# Altium PCB 1 040 1573.rev01.PcbDoc (part 1 of 3)
Units mm, origin at the board's own origin, x right, y up, seen from the top; angles counter-clockwise.
Board outline 106.1 x 59.15 mm, 2 copper layers (Top Layer, Bottom Layer); 130 components, 89 nets, 433 pads, 228 vias.
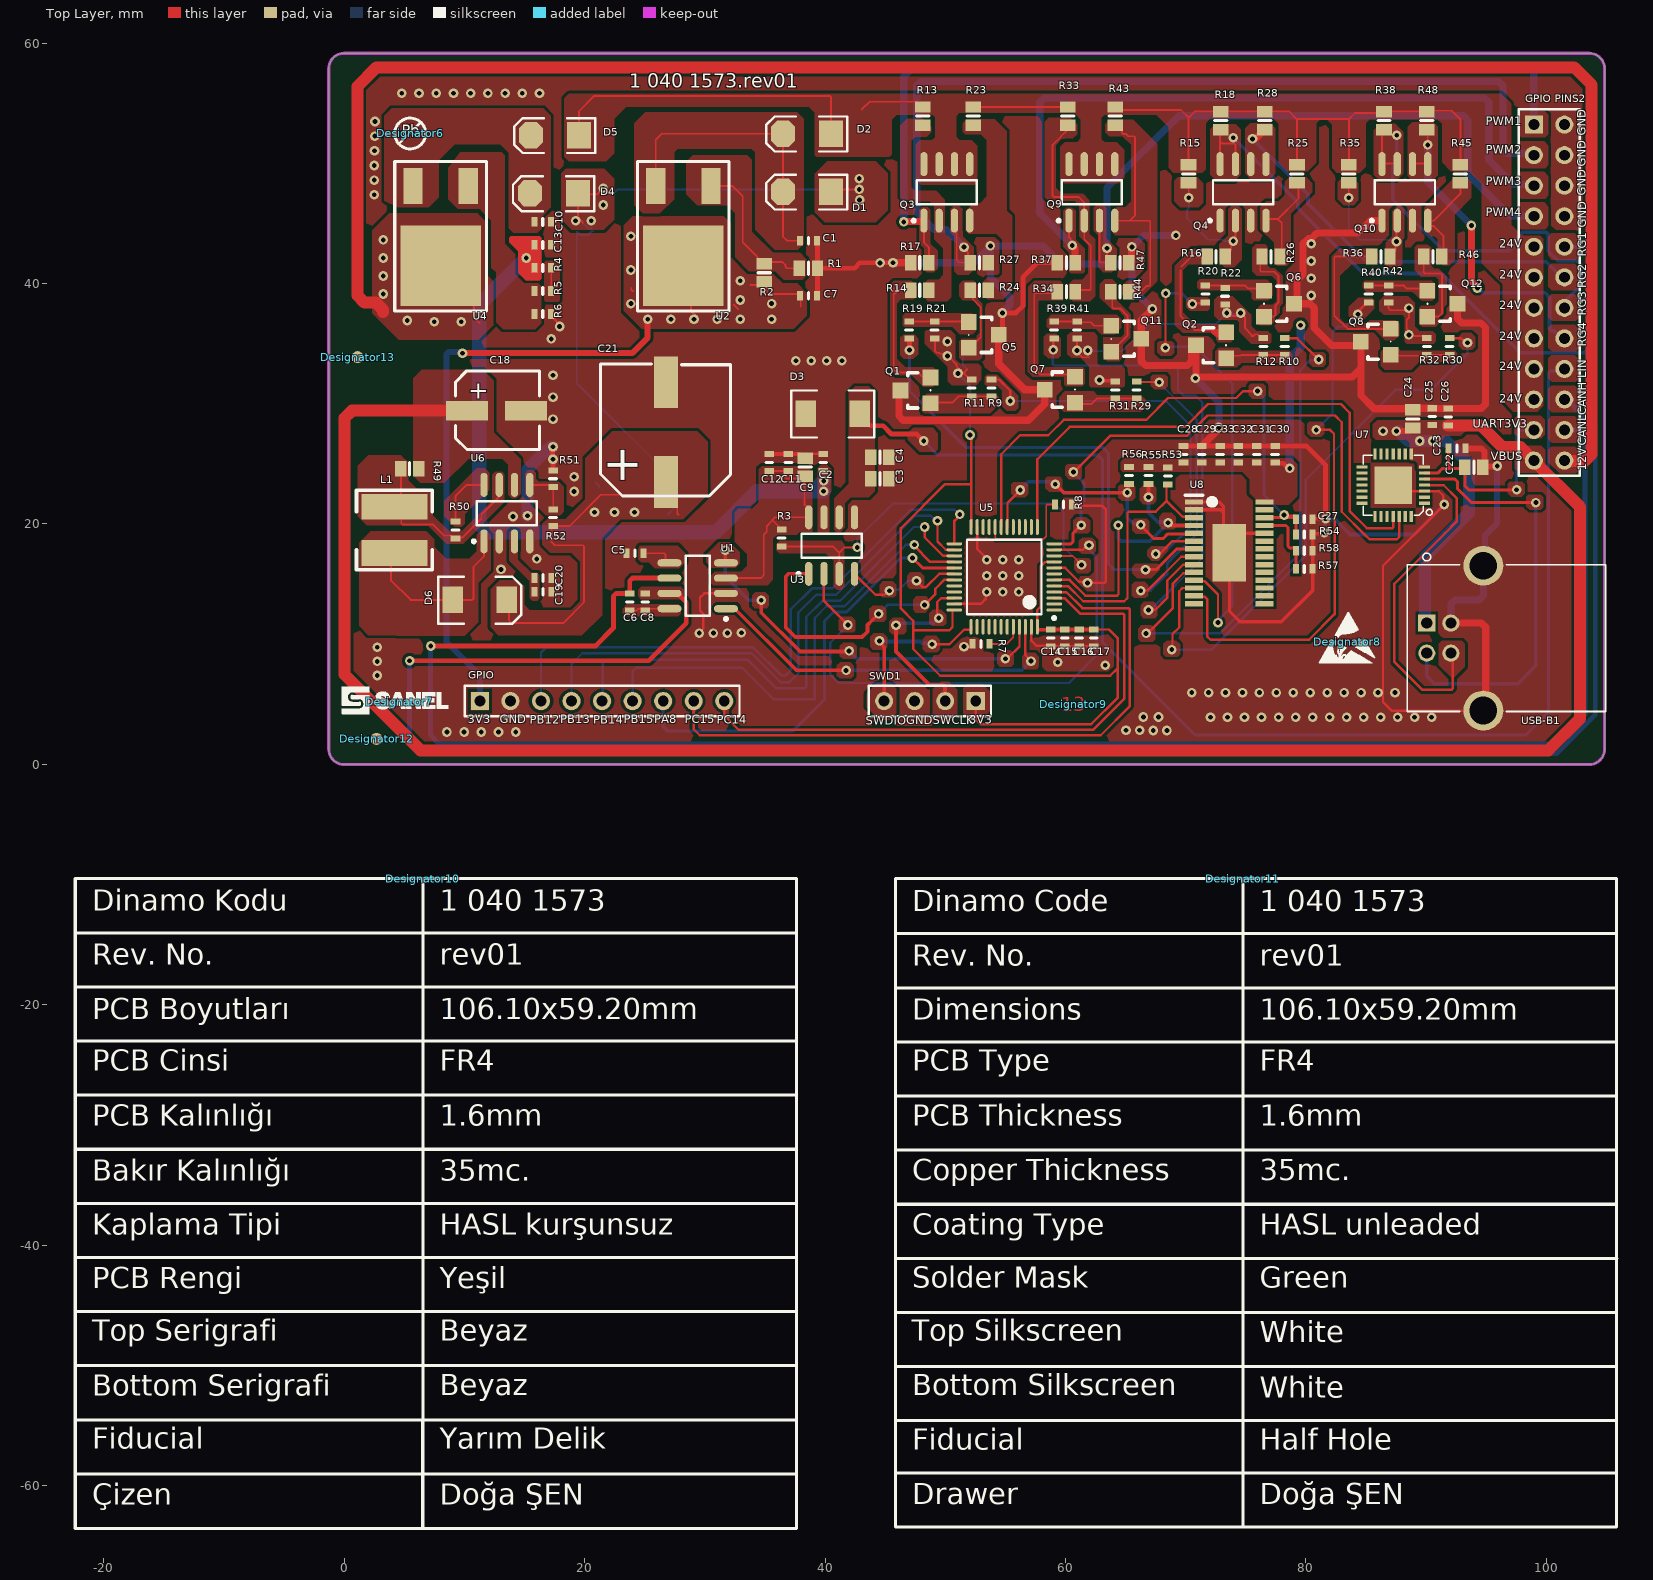
[diagram p0: Top Layer view]
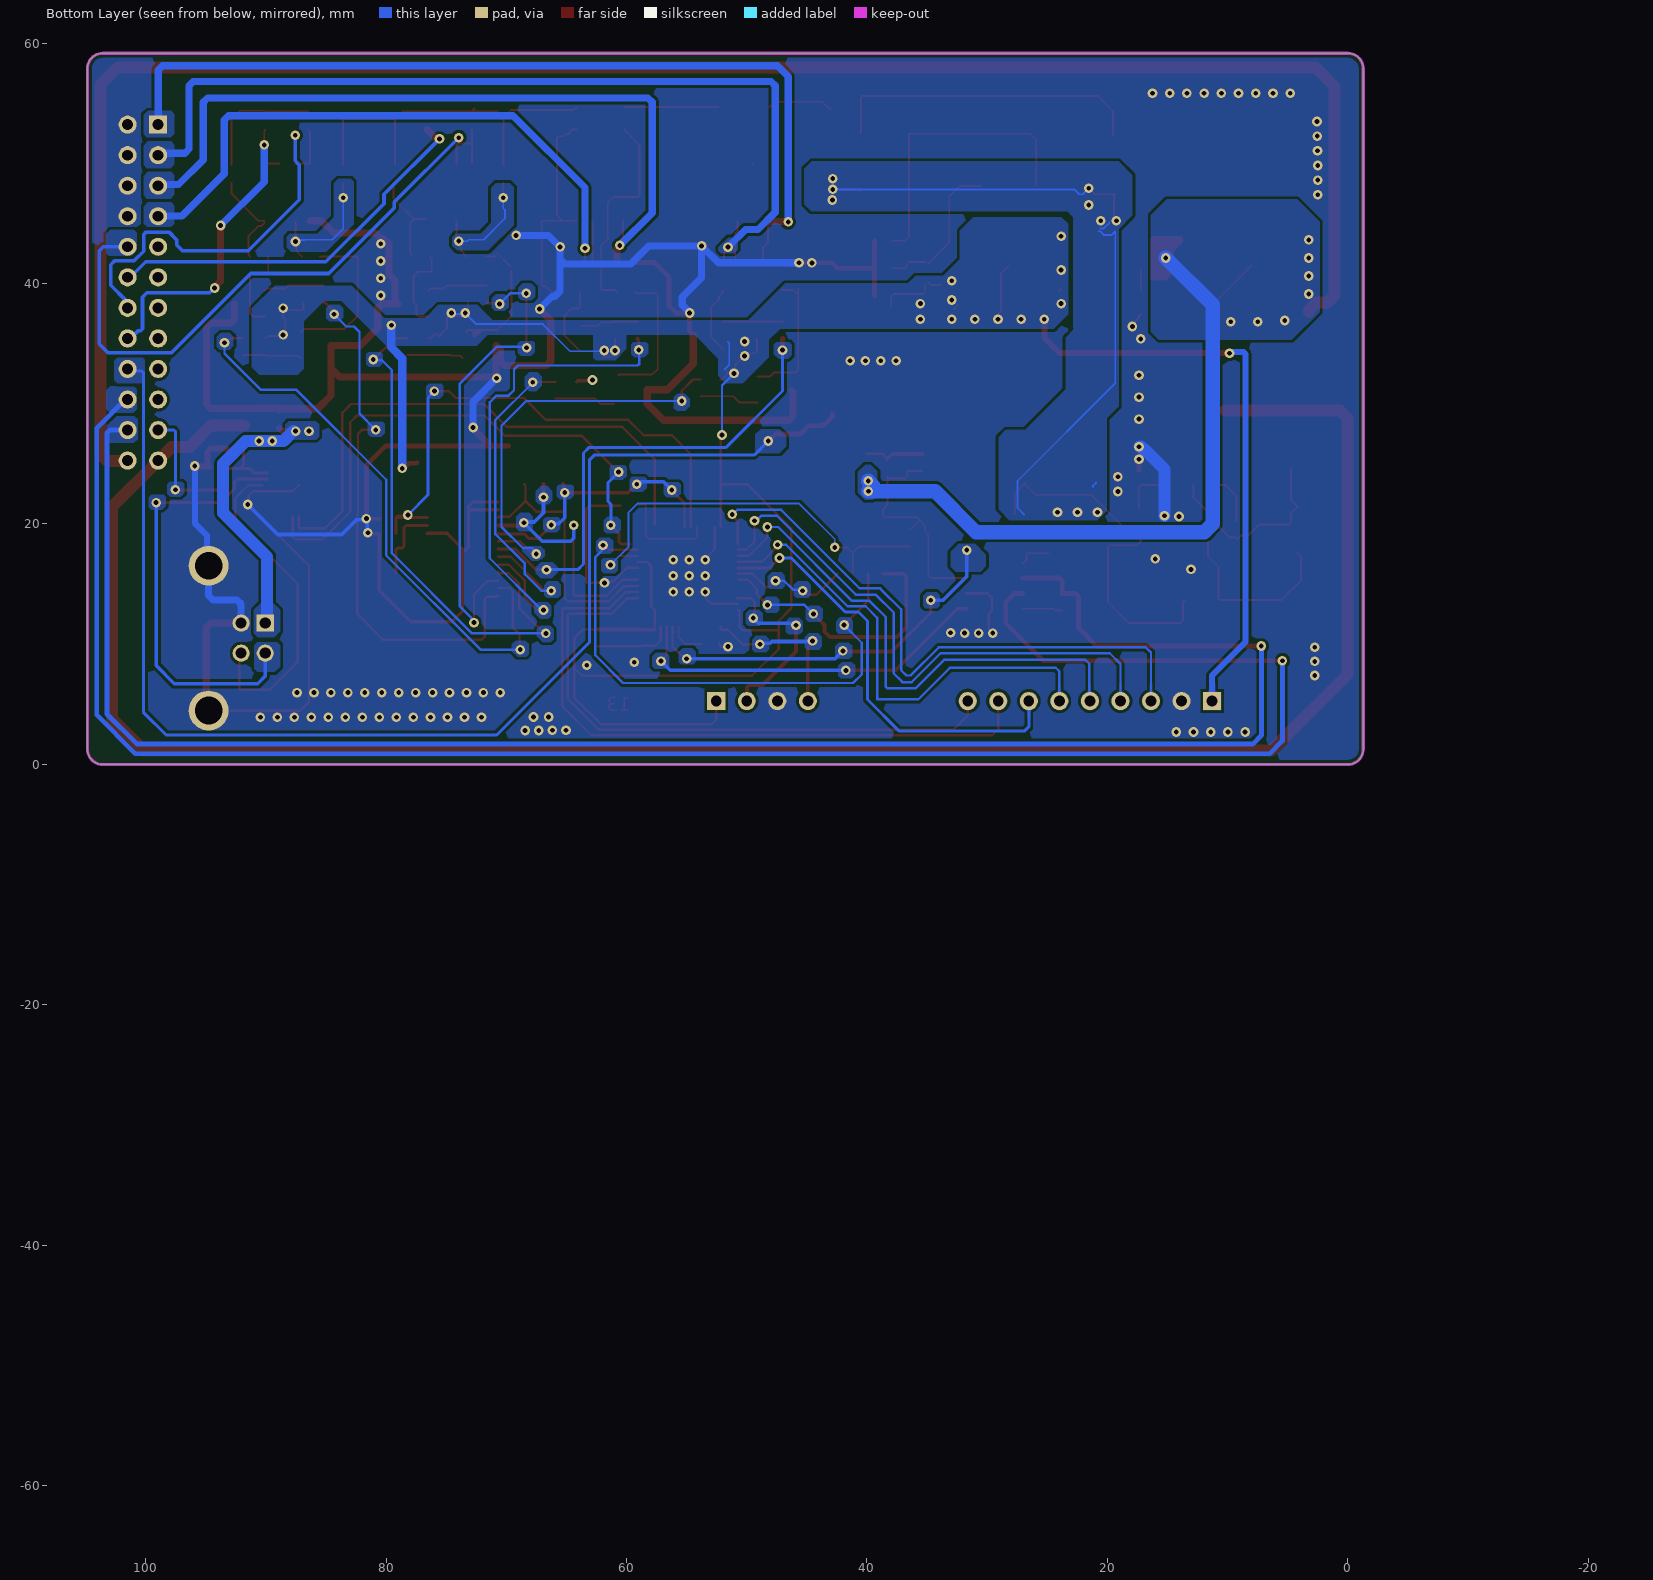
[diagram p1: Bottom Layer view, seen from below]

## Layer stack, top to bottom
Top Solder: solder mask 0.0102, Solder Resist, Dk 3.5
Top Layer: signal copper 0.0356
Dielectric 1: dielectric 0.32, FR-4, Dk 4.8
Bottom Layer: signal copper 0.0356
Bottom Solder: solder mask 0.0102, Solder Resist, Dk 3.5

## Board outline
-1.27,1.27 -1.27,57.88 cw(c0,57.88) 0,59.15 103.56,59.15 cw(c103.56,57.88) 104.83,57.88 104.83,1.27 cw(c103.56,1.27) 103.56,0 0,0 cw(c0,1.27)

## Design rules (kind name [scope] priority, off if disabled: settings)
Clearance [All] p1: gap=0.254 ignorepadtopadclearanceinfootprint=FALSE except(0: Arc-Hole Track-Hole SMDPad-Hole THPad-Hole Via-Hole Fill-Hole Poly-Hole Region-Hole Text-Hole)
MinimumSolderMaskSliver [All] p1: minsoldermaskwidth=0.1
PolygonConnect [All] p1: connectstyle=Direct reliefconductorwidth=0.254 reliefentries=4 polygonreliefangle="90 Angle" airgapwidth=0.254
RoutingVias [All] p1: holewidth=0.5 width=0.8 viastyle="Through Hole" minholewidth=0.3 minwidth=0.5 maxholewidth=1 maxwidth=2
SolderMaskExpansion [All] p1: expansion=0.102 istentingtop=FALSE
SupplyNets "Schematic Supply Nets_7" [InNet('VCC3V3')] p1: voltage=0.000
SupplyNets "Schematic Supply Nets_6" [InNet('VBUS')] p2: voltage=0.000
SupplyNets "Schematic Supply Nets_5" [InNet('VCC12V')] p3: voltage=0.000
SupplyNets "Schematic Supply Nets_4" [InNet('12VREG')] p4: voltage=0.000
SupplyNets "Schematic Supply Nets_3" [InNet('+24V')] p5: voltage=0.000
SupplyNets "Schematic Supply Nets_2" [InNet('UART3V3')] p6: voltage=0.000
SupplyNets "Schematic Supply Nets_1" [InNet('GND')] p7: voltage=0.000
SupplyNets "Schematic Supply Nets" [InNet('VCC5V')] p8: voltage=0.000
Width [All] p1: maxlimit=3 minlimit=0.152 preferedwidth=0.5
29 further rules are at their usual default settings.

## Classes and differential pairs
component class uart: C22 C23 C24 C25 C26 U7 USB-B1
component class pwm_driver: C27 C28 C29 C30 C31 C32 C33 R53 R54 R55 R56 R57 R58 U8
component class Sanel_Can_Lin_Pwm_Schem: C1 C2 C3 C4 C5 C6 C7 C8 C9 C10 C11 C12 C13 C14 C15 C16 C17 D1 D2 D3 D4 D5 GPIO R1 R2 R3 R4 R5 R6 R7 R8 SWD1 U1 U2 U3 U4 U5
component class regulator: C18 C19 C20 C21 D6 L1 R49 R50 R51 R52 U6
component class High_side_pwm: "GPIO PINS2" Q1 Q2 Q3 Q4 Q5 Q6 Q7 Q8 Q9 Q10 Q11 Q12 R9 R10 R11 R12 R13 R14 R15 R16 R17 R18 R19 R20 R21 R22 R23 R24 R25 R26 R27 R28 R29 R30 R31 R32 R33 R34 R35 R36 R37 R38 R39 R40 R41 R42 R43 R44 R45 R46 R47 R48

## Components (designator, comment, footprint, x,y, rotation, side; value= is the part's Value field where it differs from the comment)
C1 "1UF" Capacitor(0603)-1 38.636,43.561 r180 top
C2 "100N" Capacitor(0603)-1 39.855,25.125 r270 top
C3 "220PF" Capacitor(0805)-1 44.555,23.754 r180 top
C4 "220PF" Capacitor(0805)-1 44.555,25.54 r180 top
C5 "100NF_50V_0603" Capacitor(0603)-1 24.205,17.57 r180 top
C6 "22PF_0603" Capacitor(0603)-1 23.755,13.525 r90 top
C7 "1UF" Capacitor(0603)-1 38.624,38.989 r180 top
C8 "22PF_0603" Capacitor(0603)-1 25.055,13.525 r90 top
C9 "4.7UF" Capacitor(0805)-1 38.355,24.725 r270 top
C10 "1UF" Capacitor(0603)-1 16.526,45.125 r180 top
C11 "100N" Capacitor(0603)-1 36.955,25.125 r270 top
C12 "10NF" Capacitor(0603)-1 35.355,25.125 r270 top
C13 "1UF" Capacitor(0603)-1 16.526,43.21 r180 top
C14 "470NF" Capacitor(0603)-1 58.775,10.525 r90 top
C15 "100N" Capacitor(0603)-1 59.93,10.525 r90 top
C16 "10NF" Capacitor(0603)-1 61.13,10.525 r90 top
C17 "1NF" Capacitor(0603)-1 62.355,10.525 r90 top
C18 "100UF_16V" 0505(47uF/35V) 12.694,29.412 r180 top
C19 "560PF" Capacitor(0603)-1 16.555,14.362 r180 top
C20 "1NF" Capacitor(0603)-1 16.555,15.505 r180 top
C21 "CAP_ALM_SMD_470UF_25V" 0505(470uF/25V) 26.791,27.634 r270 top
C22 "4.7UF" Capacitor(0805)-1 93.955,24.725 r180 top
C23 "100NF" Capacitor(0603)-1 92.567,26.289 r180 top
C24 "10UF" Capacitor(0805)-1 88.891,28.735 r270 top
C25 "1UF" Capacitor(0603)-1 90.505,28.925 r90 top
C26 "100NF" Capacitor(0603)-1 91.825,28.9 r270 top
C27 "100NF" Capacitor(0603)-1 79.855,20.405 r180 top
C28 "100NF" Capacitor(0603)-1 69.809,25.795 r270 top
C29 "1UF" Capacitor(0603)-1 71.333,25.795 r90 top
C30 "10NF" Capacitor(0603)-1 77.429,25.795 r270 top
C31 "10NF" Capacitor(0603)-1 75.905,25.795 r270 top
C32 "10NF" Capacitor(0603)-1 74.381,25.795 r270 top
C33 "10NF" Capacitor(0603)-1 72.857,25.795 r270 top
D1 "DIODE_1000V_2A_DO214AC_S2M" "DIODE M7_DO214AC" 38.497,47.625 r0 top
D2 "DIODE_1000V_2A_DO214AC_S2M" "DIODE M7_DO214AC" 38.497,52.451 r0 top
D3 "SMBJ33CA" SMBJ 40.63,29.15 r0 top
D4 "DIODE_1000V_2A_DO214AC_S2M" "DIODE M7_DO214AC" 17.447,47.498 r0 top
D5 "DIODE_1000V_2A_DO214AC_S2M" "DIODE M7_DO214AC" 17.542,52.324 r0 top
D6 "DIODE_SCHOTTKY_50V_3A_DO214AA_SR35" SMB_0 11.297,13.664 r180 top
Designator6 "Comment" Pb 5.505,52.475 r0 top
Designator7 "Comment" "SANEL LOGO 9MM" 4.605,5.2 r0 top
Designator8 "Comment" "ESD LOGO(4mm)" 83.43,10.2 r0 top
Designator9 "Comment" DOĞA 60.655,5.025 r0 top
Designator10 "Comment" "PCB Bilgisi - TR" 6.555,-9.5 r0 top
Designator11 "Comment" "PCB information - ING" 74.755,-9.5 r0 top
Designator12 "Comment" "FIDUCIAL (1mm)" 2.7,2.125 r0 top
Designator13 "Comment" "FIDUCIAL (1mm)" 1.125,33.875 r0 top
GPIO "Header 9" HDR1X9 11.3,5.275 r0 top (schematic designator PINLER?)
"GPIO PINS2" "Header" HDR2X12_CEN 98.949,53.213 r270 top
L1 "47uH_900mA." SMD_inductor(900mA) 4.185,19.506 r270 top
Q1 "IRLML0060" SOT_23 47.555,31.125 r0 top
Q2 "IRLML0060" SOT_23 72.138,34.876 r0 top
Q3 "MOSFET_SMD_2PCH_55V_3.4A_SO8_INFINEON_IRF7342" SO-8#1 50.167,47.576 r0 top
Q4 "MOSFET_SMD_2PCH_55V_3.4A_SO8_INFINEON_IRF7342" SO-8#2 74.805,47.576 r0 top
Q5 "IRLML0060" SOT_23 53.175,35.705 r180 top
Q6 "IRLML0060" SOT_23 77.726,38.305 r180 top
Q7 "IRLML0060" SOT_23 59.565,31.193 r0 top
Q8 "IRLML0060" SOT_23 85.835,35.17 r0 top
Q9 "MOSFET_SMD_2PCH_55V_3.4A_SO8_INFINEON_IRF7342" SO-8#2 62.232,47.576 r0 top
Q10 "MOSFET_SMD_2PCH_55V_3.4A_SO8_INFINEON_IRF7342" SO-8#2 88.267,47.576 r0 top
Q11 "IRLML0060" SOT_23 65.026,35.384 r180 top
Q12 "IRLML0060" SOT_23 91.315,38.305 r180 top
R1 "560R" "Resistor(0805) -1" 38.624,41.275 r180 top
R2 "330R" "Resistor(0805) -1" 34.941,40.894 r90 top
R3 "10K" "Resistor(0603) -1" 36.397,18.84 r90 top
R4 "470R" "Resistor(0603) -1" 16.526,41.295 r180 top
R5 "470R" "Resistor(0603) -1" 16.526,39.38 r0 top
R6 "8K2" "Resistor(0603) -1" 16.526,37.465 r180 top
R7 "1K" "Resistor(0603) -1" 52.98,10.025 r0 top
R8 "1K" "Resistor(0603) -1" 59.83,21.625 r0 top
R9 "100R" "Resistor(0603) -1" 53.85,31.32 r270 top
R10 "100R" "Resistor(0603) -1" 78.234,34.749 r270 top
R11 "1K" "Resistor(0603) -1" 52.199,31.32 r270 top
R12 "1K" "Resistor(0603) -1" 76.456,34.749 r270 top
R13 "470R" "Resistor(0805) -1" 48.135,53.926 r90 top
R14 "470R" "Resistor(0805) -1" 47.881,39.448 r0 top
R15 "470R" "Resistor(0805) -1" 70.233,49.112 r90 top
R16 "470R" "Resistor(0805) -1" 72.531,42.242 r0 top
R17 "10K" "Resistor(0805) -1" 47.881,41.734 r0 top
R18 "10K" "Resistor(0805) -1" 72.9,53.545 r90 top
R19 "100R" "Resistor(0603) -1" 46.992,36.146 r90 top
R20 "100R" "Resistor(0603) -1" 71.63,39.129 r90 top
R21 "1K" "Resistor(0603) -1" 49.125,36.146 r90 top
R22 "1K" "Resistor(0603) -1" 73.281,38.94 r90 top
R23 "470R" "Resistor(0805) -1" 52.326,53.926 r90 top
R24 "470R" "Resistor(0805) -1" 52.834,39.448 r0 top
R25 "470R" "Resistor(0805) -1" 79.25,49.112 r90 top
R26 "470R" "Resistor(0805) -1" 77.091,42.242 r0 top
R27 "10K" "Resistor(0805) -1" 52.834,41.734 r180 top
R28 "10K" "Resistor(0805) -1" 76.583,53.545 r90 top
R29 "100R" "Resistor(0603) -1" 65.915,31.131 r270 top
R30 "100R" "Resistor(0603) -1" 91.95,34.749 r270 top
R31 "1K" "Resistor(0603) -1" 64.137,31.131 r270 top
R32 "1K" "Resistor(0603) -1" 90.045,34.749 r270 top
R33 "470R" "Resistor(0805) -1" 60.2,53.926 r90 top
R34 "470R" "Resistor(0805) -1" 60.073,39.321 r0 top
R35 "470R" "Resistor(0805) -1" 83.568,49.112 r90 top
R36 "470R" "Resistor(0805) -1" 86.235,42.242 r0 top
R37 "10K" "Resistor(0805) -1" 60.073,41.734 r0 top
R38 "10K" "Resistor(0805) -1" 86.489,53.545 r90 top
R39 "100R" "Resistor(0603) -1" 59.057,36.146 r90 top
R40 "100R" "Resistor(0603) -1" 85.219,39.129 r90 top
R41 "1K" "Resistor(0603) -1" 60.962,36.146 r90 top
R42 "1K" "Resistor(0603) -1" 86.87,39.129 r90 top
R43 "470R" "Resistor(0805) -1" 64.137,53.926 r90 top
R44 "470R" "Resistor(0805) -1" 64.518,39.321 r0 top
R45 "470R" "Resistor(0805) -1" 92.839,49.112 r90 top
R46 "470R" "Resistor(0805) -1" 90.553,42.242 r0 top
R47 "10K" "Resistor(0805) -1" 64.518,41.734 r180 top
R48 "10K" "Resistor(0805) -1" 90.045,53.545 r90 top
R49 "0R22" "Resistor(0805) -1" 5.455,24.586 r180 top
R50 "180R" "Resistor(0603) -1" 9.265,19.506 r90 top
R51 "270R" "Resistor(0603) -1" 17.393,23.762 r270 top
R52 "2K7" "Resistor(0603) -1" 17.393,20.522 r270 top
R53 "2K" "Resistor(0603) -1" 68.505,24 r90 top
R54 "100K" "Resistor(0603) -1" 79.855,19.125 r180 top
R55 "2K" "Resistor(0603) -1" 66.905,24.025 r90 top
R56 "100K" "Resistor(0603) -1" 65.28,24.025 r90 top
R57 "820K" "Resistor(0603) -1" 79.855,16.275 r180 top
R58 "39K" "Resistor(0603) -1" 79.855,17.775 r180 top
SWD1 "Header 4" HDR1X4 52.535,5.275 r180 top
U1 "TJA1042" SO-8#2 29.412,14.903 r90 top
U2 "LM317" DPAK 28.21,44.831 r90 top
U3 "ATA663254" SO-8#2 40.588,18.205 r0 top
U4 "LM317" DPAK 8.017,44.831 r90 top
U5 "IC_MCU_SMD_LQFP48_ST_STM32F042C6T6" LQFP48 54.905,15.6 r180 top locked
U6 "MC34063AD" SO-8#2 13.583,20.903 r0 top
U7 "QFN28_CP2102" QFN28G_0.5-5X5MM 87.255,23.225 r180 top
U8 "IS32FL3265A" SOP65P640X120-29N 73.619,17.602 r0 top
USB-B1 "USB-B-90C" USB-B-90C 90.045,11.755 r90 top

## Footprints (in the part's own frame and the unit in brackets; to place one, negate y for a bottom-side part, rotate by r counter-clockwise, add the part's x,y. Pads: shape width x height; smd on the part's side, far side on the other; paste and mask are expansions set on the pad)
0505(47uF/35V) [mm]
  rect 3.5x1.6 smd paste-0.3: 1(2.462,-0.015) 2(-2.432,-0.015)
  silkscreen extent -3.56,-3.32 3.42,3.22, body extent -3.58,-3.34 3.42,3.26, height 5.4
0505(470uF/25V) [mm]
  rect 4.3x2 smd: 1(4.15,0) 2(-4.15,0)
  silkscreen extent -5.66,-5.46 5.31,5.35, body extent -6,-5.31 5.8,5.19, height 10.3
Capacitor(0603)-1 [mm]
  rect 0.5x0.8 smd: 1(-0.7,0) 2(0.7,0)
  silkscreen extent 0,-0.28 0,0.28, body extent -0.8,-0.4 0.8,0.4, height 0.81
Capacitor(0805)-1 [mm]
  rect 0.95x1.3 smd: 1(-0.75,0) 2(0.75,0)
  silkscreen extent 0,-0.52 0,0.52, body extent -0.97,-0.62 1.03,0.63, height 0.78
"DIODE M7_DO214AC" [mm]
  rect 2x2.2 smd: 1(2,0)
  oct 2x2.2 smd: 2(-2,0)
  silkscreen extent -3.39,-1.47 3.35,1.43, body extent -2.55,-1.35 2.55,1.32, height 2.17
DOĞA [mm] "DOĞA"
DPAK [mm]
  rect 3x1.6 smd: 1(3.29,-2.31) 3(3.29,2.29)
  rect 6.7x6.7 smd: 2(-3.36,-0.01)
  silkscreen extent -7.12,-3.82 5.32,3.8, body extent -6.11,-3.28 3.81,3.26, height 2.39
"ESD LOGO(4mm)" [mm] "ESD LOGO"
  silkscreen extent -2.34,-1.74 2.28,2.46
"FIDUCIAL (1mm)" [mm] "FIDUCIAL"
  round 1 smd mask+0.5: Fiducial(0,0)
HDR1X4 [mm]
  rect 1.5x1.5 hole 0.9: 1(0,0)
  round 1.5 hole 0.9: 2(2.54,0) 3(5.08,0) 4(7.62,0)
  silkscreen extent -1.27,-1.27 8.89,1.27
HDR1X9 [mm]
  rect 1.5x1.5 hole 0.9: 1(0,0)
  round 1.5 hole 0.9: 2(2.54,0) 3(5.08,0) 4(7.62,0) 5(10.16,0) 6(12.7,0) 7(15.24,0) 8(17.78,0) 9(20.32,0)
  silkscreen extent -1.27,-1.27 21.59,1.27
HDR2X12_CEN [mm]
  rect 1.5x1.5 hole 0.9: 1(0,0)
  round 1.5 hole 0.9: 2(2.54,0) 3(5.08,0) 4(7.62,0) 5(10.16,0) 6(12.7,0) 7(15.24,0) 8(17.78,0) 9(20.32,0) 10(22.86,0) 11(25.4,0) 12(27.94,0) 13(0,2.54) 14(2.54,2.54) 15(5.08,2.54) 16(7.62,2.54) 17(10.16,2.54) 18(12.7,2.54) 19(15.24,2.54) 20(17.78,2.54) 21(20.32,2.54) 22(22.86,2.54) 23(25.4,2.54) 24(27.94,2.54)
  silkscreen extent -1.27,-1.27 29.21,3.81
LQFP48 [mm]
  oval 1.3x0.25 smd: 1(-4.15,2.75) 2(-4.15,2.25) 3(-4.15,1.75) 4(-4.15,1.25) 5(-4.15,0.75) 6(-4.15,0.25) 7(-4.15,-0.25) 8(-4.15,-0.75) 9(-4.15,-1.25) 10(-4.15,-1.75) 11(-4.15,-2.25) 12(-4.15,-2.75) 25(4.15,-2.75) 26(4.15,-2.25) 27(4.15,-1.75) 28(4.15,-1.25) 29(4.15,-0.75) 30(4.15,-0.25) 31(4.15,0.25) 32(4.15,0.75) 33(4.15,1.25) 34(4.15,1.75) 35(4.15,2.25) 36(4.15,2.75)
  oval 0.25x1.3 smd: 13(-2.75,-4.15) 14(-2.25,-4.15) 15(-1.75,-4.15) 16(-1.25,-4.15) 17(-0.75,-4.15) 18(-0.25,-4.15) 19(0.25,-4.15) 20(0.75,-4.15) 21(1.25,-4.15) 22(1.75,-4.15) 23(2.25,-4.15) 24(2.75,-4.15) 37(2.75,4.15) 38(2.25,4.15) 39(1.75,4.15) 40(1.25,4.15) 41(0.75,4.15) 42(0.25,4.15) 43(-0.25,4.15) 44(-0.75,4.15) 45(-1.25,4.15) 46(-1.75,4.15) 47(-2.25,4.15) 48(-2.75,4.15)
  silkscreen extent -4.28,-3.1 3.1,3.55, body extent -3.5,-3.5 3.5,3.5, height 1.6
Pb [mm] "Pb Logo"
  silkscreen extent -1.28,-1.28 1.29,1.28
"PCB Bilgisi - TR" [mm]
  silkscreen extent -28.91,-54.05 31.09,0
"PCB information - ING" [mm]
  silkscreen extent -28.91,-53.92 31.09,0
QFN28G_0.5-5X5MM [mm]
  rect 0.9x0.254 smd: 1(-2.59,1.5) 2(-2.59,1) 3(-2.59,0.5) 4(-2.59,0) 5(-2.59,-0.5) 6(-2.59,-1) 7(-2.59,-1.5) 15(2.59,-1.5) 16(2.59,-1) 17(2.59,-0.5) 18(2.59,0) 19(2.59,0.5) 20(2.59,1) 21(2.59,1.5)
  rect 0.254x0.9 smd: 8(-1.5,-2.59) 9(-1,-2.59) 10(-0.5,-2.59) 11(0,-2.59) 12(0.5,-2.59) 13(1,-2.59) 14(1.5,-2.59) 22(1.5,2.59) 23(1,2.59) 24(0.5,2.59) 25(0,2.59) 26(-0.5,2.59) 27(-1,2.59) 28(-1.5,2.59)
  rect 3.1x3.1 smd paste-3: 29(0,0)
  silkscreen extent -3.25,-2.5 2.5,2.5, body extent -2.5,-2.5 2.5,2.5, height 1
"Resistor(0603) -1" [mm]
  rect 0.5x0.8 smd: 1(-0.7,0) 2(0.7,0)
  silkscreen extent 0,-0.29 0,0.29, body extent -0.77,-0.42 0.78,0.43, height 0.45
"Resistor(0805) -1" [mm]
  rect 0.95x1.3 smd: 1(-0.75,0) 2(0.75,0)
  silkscreen extent 0,-0.52 0,0.52, body extent -1,-0.62 1,0.63, height 0.5
"SANEL LOGO 9MM" [mm] "SANEL LOGO"
  silkscreen extent -4.75,-0.98 4.08,1.25
SMB_0 [mm]
  rect 1.7x2.2 smd paste-0.2: 1(2.25,-0.018) 2(-2.25,-0.018)
  silkscreen extent -3.45,-1.95 3.45,1.95, body extent -2.77,-1.98 2.73,1.92, height 2.45
SMBJ [mm]
  rect 1.7x2.2 smd paste-0.2: 1(-2.25,0) 2(2.25,0)
  silkscreen extent -3.45,-1.95 3.45,1.95, body extent -2.7,-1.81 2.7,1.79, height 2.3
SMD_inductor(900mA) [mm]
  rect 2.15x5.5 smd: 1(-1.925,0) 2(1.925,0)
  silkscreen extent -3.3,-3.14 3.3,3.14, body extent -2.16,-1.9 2.33,2.1, height 3.18
SO-8#1 [mm] "SOIC, 8-Leads, Body 4.9x3.9mm, Pitch 1.27mm, IPC High Density"
  oval 0.6x2 smd: 1(-1.945,-2.35) 2(-0.675,-2.35) 3(0.595,-2.35) 4(1.865,-2.35) 6(0.595,2.35) 7(-0.675,2.35) +24V(-1.945,2.35) +24V(1.865,2.35)
  silkscreen extent -2.92,-2.47 2.46,1, body extent -2.51,-3.02 2.39,2.98, height 1.6
SO-8#2 [mm] "SOIC, 8-Leads, Body 4.9x3.9mm, Pitch 1.27mm, IPC High Density"
  oval 0.6x2 smd: 1(-1.945,-2.35) 2(-0.675,-2.35) 3(0.595,-2.35) 4(1.865,-2.35) 5(1.865,2.35) 6(0.595,2.35) 7(-0.675,2.35) 8(-1.945,2.35)
  silkscreen extent -2.92,-2.47 2.46,1, body extent -2.51,-3.02 2.39,2.98, height 1.6
SOP65P640X120-29N [mm]
  rect 1.475x0.45 smd mask+0: 1(-2.938,4.225) 2(-2.938,3.575) 3(-2.938,2.925) 4(-2.938,2.275) 5(-2.938,1.625) 6(-2.938,0.975) 7(-2.938,0.325) 8(-2.938,-0.325) 9(-2.938,-0.975) 10(-2.938,-1.625) 11(-2.938,-2.275) 12(-2.938,-2.925) 13(-2.938,-3.575) 14(-2.938,-4.225) 15(2.938,-4.225) 16(2.938,-3.575) 17(2.938,-2.925) 18(2.938,-2.275) 19(2.938,-1.625) 20(2.938,-0.975) 21(2.938,-0.325) 22(2.938,0.325) 23(2.938,0.975) 24(2.938,1.625) 25(2.938,2.275) 26(2.938,2.925) 27(2.938,3.575) 28(2.938,4.225)
  rect 2.8x4.8 smd: 29(0,0)
  silkscreen extent -3.67,4 -1.19,4.8, body extent -3.2,-4.85 3.2,4.85, height 1.2
SOT_23 [mm]
  rect 1.3x1.3 smd: 1(-1.28,-0.02) 2(1.222,-1.097) 3(1.222,1.062)
  silkscreen extent -0.68,-1.48 1.22,1.44, body extent -1.23,-1.49 1.27,1.51, height 0.95
USB-B-90C [mm]
  rect 1.428x1.428 hole 0.92: 1(0,0)
  round 1.428 hole 0.92: 2(-2.5,0) 3(-2.5,-2) 4(0,-2)
  round 3.316 hole 2.3: SH1(-7.27,-4.71) SH2(4.77,-4.71)
  silkscreen extent -7.35,-14.87 5.83,1.63
